# Altium PCB POVRotor.PcbDoc (part 2 of 2)
Units mm, origin at the board's own origin, x right, y up, seen from the top; angles counter-clockwise.
Board outline 195 x 22.6 mm, 4 copper layers (Top Layer, 5V, GND, Bottom Layer), stack 0.603 mm thick; 197 components, 249 nets, 925 pads, 272 vias.
Unrouted connection lines stored in the file: 2.
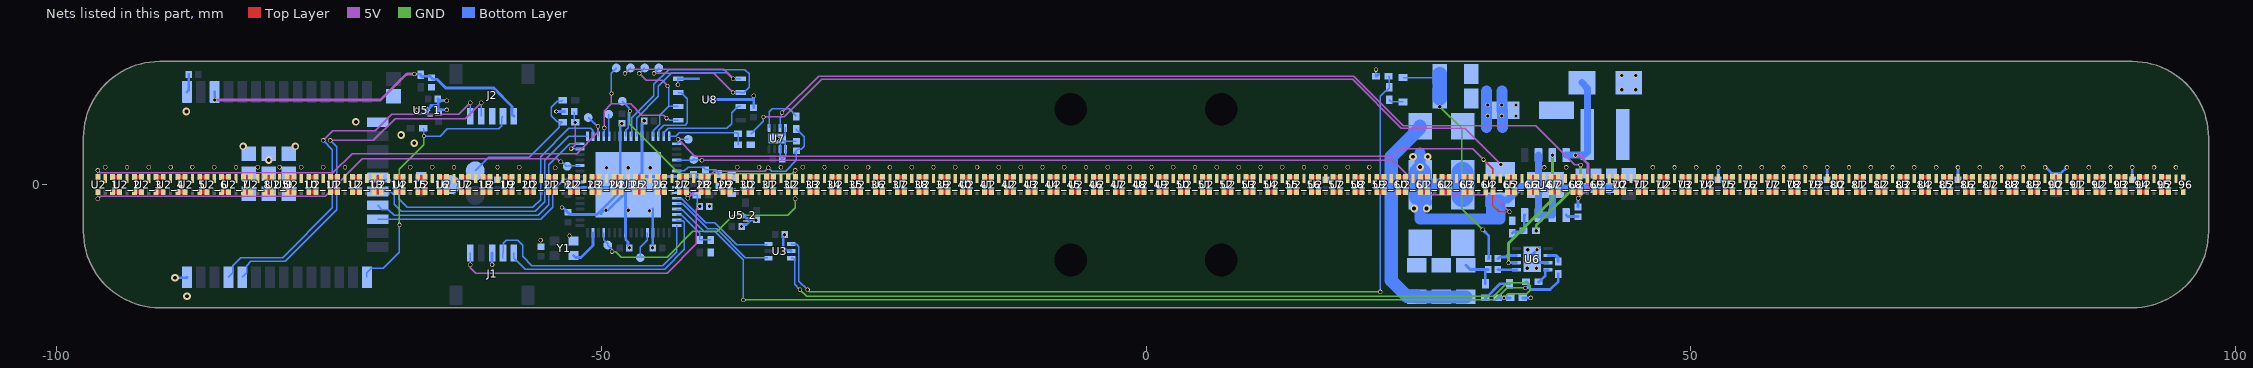
[diagram p4: the nets of this part, all layers, seen from the top]

## Via types
v1: diameter 0.4, hole 0.3, Top Layer to Bottom Layer, tented both sides, 258 vias
v2: diameter 0.7, hole 0.35, Top Layer to Bottom Layer, tented both sides, 14 vias

## Nets (pads, with @x,y where several pads share a name; then routed paths per layer and width w, separated by ;. In a path a pad name is that pad's centre, name@x,y a point inside that pad or via, vN(x,y) a via of type N, cw(c..) or ccw(c..) an arc to the next point about the centre after c; other vN are vias at no path point) (continued)
5V_ISNS: C29.1 R21.1 U1.10 | length 17
  5V w0.128: v1(-42.05,-1.25) -39.6,1.2 -35,1.2 v1(-34.65,1.55)
  Bottom Layer w0.128: U1.10@-43.065,-0.75 -42.45,-0.75 -42.102,-1.098 -42.102,-1.198 v1(-42.05,-1.25) ; v1(-34.65,1.55) -34.336,1.236 -33.064,1.236 -32.075,2.225 C29.1@-32.075,3.085 ; C29.1@-32.331,2.849 -32.095,3.085 C29.1@-32.075,3.085 ; R21.1@-32.075,5.1 -32.075,5.025 -31.839,4.789 -31.764,4.789 -31.375,4.4 -31.375,3.525 -31.638,3.262 -31.898,3.262 C29.1@-32.075,3.085
5V_ISNS_R: R21.2 U7.1 | length 4.4
  Bottom Layer w0.128: U7.1@-34.575,5.21 -34.575,6.675 -34.3,6.95 -32.736,6.95 -32.075,6.289 R21.2@-32.075,6.25
5V_RSNS: C12.2 C14.2 C33.2 L1.2 R2.2 R20.1 U7.3 | length 88
  5V w0.128: v1(-33.4,6.586) -30.036,9.95 19.05,9.95 23.6,5.4 35.75,5.4 39.35,1.8 v1(39.9,1.8)
  GND w0.254: v1(35.8,-4.25) 35.8,-3.75 39.9,0.35 v1(39.9,1.8)
  Bottom Layer w0.128: U7.3@-33.575,5.21 -33.563,5.222 -33.563,6.13 -33.452,6.241 -33.452,6.534 v1(-33.4,6.586)
  Bottom Layer w0.254: C14.2@39.9,1.025 v1(39.9,1.8)
5V_VSNS: R18.1 R19.1 U1.14 | length 4.4
  Bottom Layer w0.128: U1.14@-43.065,-2.75 -42.999,-2.816 -42.584,-2.816 -40.95,-4.45 R18.1@-40.95,-5.075 R19.1@-39.95,-5.075
BOOT: C31.2 U4.1 | length 1.2
  Bottom Layer w0.254: U4.1@38.555,-2.8 38.695,-2.94 C31.2@39.65,-2.94
CI_A1: TP2.1 U1.44 U2_1.5 | length 46.6
  Top Layer w0.128: v1(-96.175,-1.3) U2_1.5@-96.175,-0.675
  5V w0.128: v1(-96.175,-1.3) -95.925,-1.05 -75.3,-1.05 -71.9,2.35 -54.004,2.35 -53.754,2.1 v1(-53.7,2.1)
  Bottom Layer w0.128: v1(-53.7,2.1) -53.626,2.1 -53.208,1.681 TP2.1@-53.106,1.681 ; TP2.1@-53.041,1.716 -51.969,1.716 U1.44@-51.935,1.75
CI_A2: U2_1.3 U2_2.5 | length 0.6
  Top Layer w0.44: U2_1.3@-94.825,-0.675 U2_2.5@-94.175,-0.675
CI_A3: U2_2.3 U2_3.5 | length 0.6
  Top Layer w0.44: U2_2.3@-92.825,-0.675 U2_3.5@-92.175,-0.675
CI_A4: U2_3.3 U2_4.5 | length 0.6
  Top Layer w0.44: U2_3.3@-90.825,-0.675 U2_4.5@-90.175,-0.675
CI_A5: U2_4.3 U2_5.5 | length 0.6
  Top Layer w0.44: U2_4.3@-88.825,-0.675 U2_5.5@-88.175,-0.675
CI_A6: U2_5.3 U2_6.5 | length 0.6
  Top Layer w0.44: U2_5.3@-86.825,-0.675 U2_6.5@-86.175,-0.675
CI_A7: U2_6.3 U2_7.5 | length 0.6
  Top Layer w0.44: U2_6.3@-84.825,-0.675 U2_7.5@-84.175,-0.675
CI_A8: U2_7.3 U2_8.5 | length 0.6
  Top Layer w0.44: U2_7.3@-82.825,-0.675 U2_8.5@-82.175,-0.675
CI_A9: U2_8.3 U2_9.5 | length 0.6
  Top Layer w0.44: U2_8.3@-80.825,-0.675 U2_9.5@-80.175,-0.675
CI_A10: U2_9.3 U2_10.5 | length 0.6
  Top Layer w0.44: U2_9.3@-78.825,-0.675 U2_10.5@-78.175,-0.675
CI_A11: U2_10.3 U2_11.5 | length 0.6
  Top Layer w0.44: U2_10.3@-76.825,-0.675 U2_11.5@-76.175,-0.675
CI_A12: U2_11.3 U2_12.5 | length 0.6
  Top Layer w0.44: U2_11.3@-74.825,-0.675 U2_12.5@-74.175,-0.675
CI_A13: U2_12.3 U2_13.5 | length 0.6
  Top Layer w0.44: U2_12.3@-72.825,-0.675 U2_13.5@-72.175,-0.675
CI_A14: U2_13.3 U2_14.5 | length 0.6
  Top Layer w0.44: U2_13.3@-70.825,-0.675 U2_14.5@-70.175,-0.675
CI_A15: U2_14.3 U2_15.5 | length 0.6
  Top Layer w0.44: U2_14.3@-68.825,-0.675 U2_15.5@-68.175,-0.675
CI_A16: U2_15.3 U2_16.5 | length 0.6
  Top Layer w0.44: U2_15.3@-66.825,-0.675 U2_16.5@-66.175,-0.675
CI_A17: U2_16.3 U2_17.5 | length 0.6
  Top Layer w0.44: U2_16.3@-64.825,-0.675 U2_17.5@-64.175,-0.675
CI_A18: U2_17.3 U2_18.5 | length 0.6
  Top Layer w0.44: U2_17.3@-62.825,-0.675 U2_18.5@-62.175,-0.675
CI_A19: U2_18.3 U2_19.5 | length 0.6
  Top Layer w0.44: U2_18.3@-60.825,-0.675 U2_19.5@-60.175,-0.675
CI_A20: U2_19.3 U2_20.5 | length 0.6
  Top Layer w0.44: U2_19.3@-58.825,-0.675 U2_20.5@-58.175,-0.675
CI_A21: U2_20.3 U2_21.5 | length 0.6
  Top Layer w0.44: U2_20.3@-56.825,-0.675 U2_21.5@-56.175,-0.675
CI_A22: U2_21.3 U2_22.5 | length 0.6
  Top Layer w0.44: U2_21.3@-54.825,-0.675 U2_22.5@-54.175,-0.675
CI_A23: U2_22.3 U2_23.5 | length 0.6
  Top Layer w0.44: U2_22.3@-52.825,-0.675 U2_23.5@-52.175,-0.675
CI_A24: U2_23.3 U2_24.5 | length 0.6
  Top Layer w0.44: U2_23.3@-50.825,-0.675 U2_24.5@-50.175,-0.675
CI_A25: U2_24.3 U2_25.5 | length 0.6
  Top Layer w0.44: U2_24.3@-48.825,-0.675 U2_25.5@-48.175,-0.675
CI_A26: U2_25.3 U2_26.5 | length 0.6
  Top Layer w0.44: U2_25.3@-46.825,-0.675 U2_26.5@-46.175,-0.675
CI_A27: U2_26.3 U2_27.5 | length 0.6
  Top Layer w0.44: U2_26.3@-44.825,-0.675 U2_27.5@-44.175,-0.675
CI_A28: U2_27.3 U2_28.5 | length 0.6
  Top Layer w0.44: U2_27.3@-42.825,-0.675 U2_28.5@-42.175,-0.675
CI_A29: U2_28.3 U2_29.5 | length 0.6
  Top Layer w0.44: U2_28.3@-40.825,-0.675 U2_29.5@-40.175,-0.675
CI_A30: U2_29.3 U2_30.5 | length 0.6
  Top Layer w0.44: U2_29.3@-38.825,-0.675 U2_30.5@-38.175,-0.675
CI_A31: U2_30.3 U2_31.5 | length 0.6
  Top Layer w0.44: U2_30.3@-36.825,-0.675 U2_31.5@-36.175,-0.675
CI_A32: U2_31.3 U2_32.5 | length 0.6
  Top Layer w0.44: U2_31.3@-34.825,-0.675 U2_32.5@-34.175,-0.675
CI_B33: TP4.1 U1.29 U2_33.5 | length 22.4
  Top Layer w0.128: v1(-32.175,-1.3) U2_33.5@-32.175,-0.675
  GND w0.128: v1(-49,-6.15) -48.632,-6.15 -48.132,-6.65 -43.95,-6.65 -41.591,-4.291 -39.341,-4.291 -37.85,-2.8 -32.85,-2.8 -32.175,-2.125 v1(-32.175,-1.3)
  Bottom Layer w0.128: U1.29@-49.75,-4.435 -49.75,-5.078 -49.385,-5.443 TP4.1@-49.385,-5.55 -49.018,-5.917 -49.018,-6.132 v1(-49,-6.15)
CI_B34: U2_33.3 U2_34.5 | length 0.6
  Top Layer w0.44: U2_33.3@-30.825,-0.675 U2_34.5@-30.175,-0.675
CI_B35: U2_34.3 U2_35.5 | length 0.6
  Top Layer w0.44: U2_34.3@-28.825,-0.675 U2_35.5@-28.175,-0.675
CI_B36: U2_35.3 U2_36.5 | length 0.6
  Top Layer w0.44: U2_35.3@-26.825,-0.675 U2_36.5@-26.175,-0.675
CI_B37: U2_36.3 U2_37.5 | length 0.6
  Top Layer w0.44: U2_36.3@-24.825,-0.675 U2_37.5@-24.175,-0.675
CI_B38: U2_37.3 U2_38.5 | length 0.6
  Top Layer w0.44: U2_37.3@-22.825,-0.675 U2_38.5@-22.175,-0.675
CI_B39: U2_38.3 U2_39.5 | length 0.6
  Top Layer w0.44: U2_38.3@-20.825,-0.675 U2_39.5@-20.175,-0.675
CI_B40: U2_39.3 U2_40.5 | length 0.6
  Top Layer w0.44: U2_39.3@-18.825,-0.675 U2_40.5@-18.175,-0.675
CI_B41: U2_40.3 U2_41.5 | length 0.6
  Top Layer w0.44: U2_40.3@-16.825,-0.675 U2_41.5@-16.175,-0.675
CI_B42: U2_41.3 U2_42.5 | length 0.6
  Top Layer w0.44: U2_41.3@-14.825,-0.675 U2_42.5@-14.175,-0.675
CI_B43: U2_42.3 U2_43.5 | length 0.6
  Top Layer w0.44: U2_42.3@-12.825,-0.675 U2_43.5@-12.175,-0.675
CI_B44: U2_43.3 U2_44.5 | length 0.6
  Top Layer w0.44: U2_43.3@-10.825,-0.675 U2_44.5@-10.175,-0.675
CI_B45: U2_44.3 U2_45.5 | length 0.6
  Top Layer w0.44: U2_44.3@-8.825,-0.675 U2_45.5@-8.175,-0.675
CI_B46: U2_45.3 U2_46.5 | length 0.6
  Top Layer w0.44: U2_45.3@-6.825,-0.675 U2_46.5@-6.175,-0.675
CI_B47: U2_46.3 U2_47.5 | length 0.6
  Top Layer w0.44: U2_46.3@-4.825,-0.675 U2_47.5@-4.175,-0.675
CI_B48: U2_47.3 U2_48.5 | length 0.6
  Top Layer w0.44: U2_47.3@-2.825,-0.675 U2_48.5@-2.175,-0.675
CI_B49: U2_48.3 U2_49.5 | length 0.6
  Top Layer w0.44: U2_48.3@-0.825,-0.675 U2_49.5@-0.175,-0.675
CI_B50: U2_49.3 U2_50.5 | length 0.6
  Top Layer w0.44: U2_49.3@1.175,-0.675 U2_50.5@1.825,-0.675
CI_B51: U2_50.3 U2_51.5 | length 0.6
  Top Layer w0.44: U2_50.3@3.175,-0.675 U2_51.5@3.825,-0.675
CI_B52: U2_51.3 U2_52.5 | length 0.6
  Top Layer w0.44: U2_51.3@5.175,-0.675 U2_52.5@5.825,-0.675
CI_B53: U2_52.3 U2_53.5 | length 0.6
  Top Layer w0.44: U2_52.3@7.175,-0.675 U2_53.5@7.825,-0.675
CI_B54: U2_53.3 U2_54.5 | length 0.6
  Top Layer w0.44: U2_53.3@9.175,-0.675 U2_54.5@9.825,-0.675
CI_B55: U2_54.3 U2_55.5 | length 0.6
  Top Layer w0.44: U2_54.3@11.175,-0.675 U2_55.5@11.825,-0.675
CI_B56: U2_55.3 U2_56.5 | length 0.6
  Top Layer w0.44: U2_55.3@13.175,-0.675 U2_56.5@13.825,-0.675
CI_B57: U2_56.3 U2_57.5 | length 0.6
  Top Layer w0.44: U2_56.3@15.175,-0.675 U2_57.5@15.825,-0.675
CI_B58: U2_57.3 U2_58.5 | length 0.6
  Top Layer w0.44: U2_57.3@17.175,-0.675 U2_58.5@17.825,-0.675
CI_B59: U2_58.3 U2_59.5 | length 0.6
  Top Layer w0.44: U2_58.3@19.175,-0.675 U2_59.5@19.825,-0.675
CI_B60: U2_59.3 U2_60.5 | length 0.6
  Top Layer w0.44: U2_59.3@21.175,-0.675 U2_60.5@21.825,-0.675
CI_B61: U2_60.3 U2_61.5 | length 0.6
  Top Layer w0.44: U2_60.3@23.175,-0.675 U2_61.5@23.825,-0.675
CI_B62: U2_61.3 U2_62.5 | length 0.6
  Top Layer w0.44: U2_61.3@25.175,-0.675 U2_62.5@25.825,-0.675
CI_B63: U2_62.3 U2_63.5 | length 0.6
  Top Layer w0.44: U2_62.3@27.175,-0.675 U2_63.5@27.825,-0.675
CI_B64: U2_63.3 U2_64.5 | length 0.6
  Top Layer w0.44: U2_63.3@29.175,-0.675 U2_64.5@29.825,-0.675
CI_C65: TP6.1 U1.4 U2_65.5 | length 81.5
  Top Layer w0.128: U2_65.5@31.825,-0.675 31.825,-1.925 32.4,-2.5 v1(33.35,-2.5)
  5V w0.128: v1(-40.75,2.236) 22.664,2.236 25.85,-0.95 31.8,-0.95 v1(33.35,-2.5)
  Bottom Layer w0.128: U1.4@-43.065,2.25 -41.6,2.25 -41.5,2.35 -41.418,2.268 -40.782,2.268 v1(-40.75,2.236)
CI_C66: U2_65.3 U2_66.5 | length 0.6
  Top Layer w0.44: U2_65.3@33.175,-0.675 U2_66.5@33.825,-0.675
CI_C67: U2_66.3 U2_67.5 | length 0.6
  Top Layer w0.44: U2_66.3@35.175,-0.675 U2_67.5@35.825,-0.675
CI_C68: U2_67.3 U2_68.5 | length 0.6
  Top Layer w0.44: U2_67.3@37.175,-0.675 U2_68.5@37.825,-0.675
CI_C69: U2_68.3 U2_69.5 | length 0.6
  Top Layer w0.44: U2_68.3@39.175,-0.675 U2_69.5@39.825,-0.675
CI_C70: U2_69.3 U2_70.5 | length 0.6
  Top Layer w0.44: U2_69.3@41.175,-0.675 U2_70.5@41.825,-0.675
CI_C71: U2_70.3 U2_71.5 | length 0.6
  Top Layer w0.44: U2_70.3@43.175,-0.675 U2_71.5@43.825,-0.675
CI_C72: U2_71.3 U2_72.5 | length 0.6
  Top Layer w0.44: U2_71.3@45.175,-0.675 U2_72.5@45.825,-0.675
CI_C73: U2_72.3 U2_73.5 | length 0.6
  Top Layer w0.44: U2_72.3@47.175,-0.675 U2_73.5@47.825,-0.675
CI_C74: U2_73.3 U2_74.5 | length 0.6
  Top Layer w0.44: U2_73.3@49.175,-0.675 U2_74.5@49.825,-0.675
CI_C75: U2_74.3 U2_75.5 | length 0.6
  Top Layer w0.44: U2_74.3@51.175,-0.675 U2_75.5@51.825,-0.675
CI_C76: U2_75.3 U2_76.5 | length 0.6
  Top Layer w0.44: U2_75.3@53.175,-0.675 U2_76.5@53.825,-0.675
CI_C77: U2_76.3 U2_77.5 | length 0.6
  Top Layer w0.44: U2_76.3@55.175,-0.675 U2_77.5@55.825,-0.675
CI_C78: U2_77.3 U2_78.5 | length 0.6
  Top Layer w0.44: U2_77.3@57.175,-0.675 U2_78.5@57.825,-0.675
CI_C79: U2_78.3 U2_79.5 | length 0.6
  Top Layer w0.44: U2_78.3@59.175,-0.675 U2_79.5@59.825,-0.675
CI_C80: U2_79.3 U2_80.5 | length 0.6
  Top Layer w0.44: U2_79.3@61.175,-0.675 U2_80.5@61.825,-0.675
CI_C81: U2_80.3 U2_81.5 | length 0.6
  Top Layer w0.44: U2_80.3@63.175,-0.675 U2_81.5@63.825,-0.675
CI_C82: U2_81.3 U2_82.5 | length 0.6
  Top Layer w0.44: U2_81.3@65.175,-0.675 U2_82.5@65.825,-0.675
CI_C83: U2_82.3 U2_83.5 | length 0.6
  Top Layer w0.44: U2_82.3@67.175,-0.675 U2_83.5@67.825,-0.675
CI_C84: U2_83.3 U2_84.5 | length 0.6
  Top Layer w0.44: U2_83.3@69.175,-0.675 U2_84.5@69.825,-0.675
CI_C85: U2_84.3 U2_85.5 | length 0.6
  Top Layer w0.44: U2_84.3@71.175,-0.675 U2_85.5@71.825,-0.675
CI_C86: U2_85.3 U2_86.5 | length 0.6
  Top Layer w0.44: U2_85.3@73.175,-0.675 U2_86.5@73.825,-0.675
CI_C87: U2_86.3 U2_87.5 | length 0.6
  Top Layer w0.44: U2_86.3@75.175,-0.675 U2_87.5@75.825,-0.675
CI_C88: U2_87.3 U2_88.5 | length 0.6
  Top Layer w0.44: U2_87.3@77.175,-0.675 U2_88.5@77.825,-0.675
CI_C89: U2_88.3 U2_89.5 | length 0.6
  Top Layer w0.44: U2_88.3@79.175,-0.675 U2_89.5@79.825,-0.675
CI_C90: U2_89.3 U2_90.5 | length 0.6
  Top Layer w0.44: U2_89.3@81.175,-0.675 U2_90.5@81.825,-0.675
CI_C91: U2_90.3 U2_91.5 | length 0.6
  Top Layer w0.44: U2_90.3@83.175,-0.675 U2_91.5@83.825,-0.675
CI_C92: U2_91.3 U2_92.5 | length 0.6
  Top Layer w0.44: U2_91.3@85.175,-0.675 U2_92.5@85.825,-0.675
CI_C93: U2_92.3 U2_93.5 | length 0.6
  Top Layer w0.44: U2_92.3@87.175,-0.675 U2_93.5@87.825,-0.675
CI_C94: U2_93.3 U2_94.5 | length 0.6
  Top Layer w0.44: U2_93.3@89.175,-0.675 U2_94.5@89.825,-0.675
CI_C95: U2_94.3 U2_95.5 | length 0.6
  Top Layer w0.44: U2_94.3@91.175,-0.675 U2_95.5@91.825,-0.675
CI_C96: U2_95.3 U2_96.5 | length 0.7
  Top Layer w0.44: U2_95.3@93.175,-0.675 93.175,-0.682 93.18,-0.687 93.82,-0.687 93.825,-0.693 U2_96.5@93.825,-0.7
CO_A32: U2_32.3
CO_B64: U2_64.3
CO_C96: U2_96.3
COIL_C_P: C8.1 C11.2 C15.2 C16.2 C17.1 D2.1 D3.2 | length 22.7
  Bottom Layer w1.2: C16.2@24.85,-10.3 C11.2@27.1,-10.3 C15.2@29.35,-10.3 ; C16.2@24.85,-10.25 23.95,-10.25 22.5,-8.8 22.5,2.552 24.673,4.725 24.675,4.725 25.15,5.2 D3.2@25.15,5.35
COIL_N: C11.1 C15.1 C16.1 C19.2 D4.1 D5.2 D7.1 | length 3.5
  Bottom Layer w0.254: C15.1@29.35,-7.4 29.75,-7.8 C19.2@31.15,-7.8 ; D7.1@31.137,-9.1 31.137,-7.813 C19.2@31.15,-7.8 ; C19.2@31.41,-7.8 C19.2@31.15,-7.8
COIL_N_D: D7.2 R13.2 | length 2.8
  Bottom Layer w0.254: R13.2@31.125,-10.4 31.2,-10.4 32.5,-9.1 D7.2@33.362,-9.1
COIL_N_SGN: U1.12 U3.4 | length 10.4
  Bottom Layer w0.128: U1.12@-43.065,-1.75 -42.5,-1.75 -40.2,-4.05 -39.4,-4.05 -36.75,-6.7 U3.4@-34.7,-6.7
COIL_N_VSNS_R: R13.1 R14.2 U3.3 | length 75.4
  GND w0.128: v1(-31.75,-9.65) -31.15,-10.25 31.9,-10.25 33.15,-9 34.982,-9 35.27,-9.288 35.27,-9.68 34.95,-10 33.25,-10 v1(32.85,-10.4)
  Bottom Layer w0.128: U3.3@-32.55,-6.75 -32.375,-6.75 -32.239,-6.886 -32.239,-9.161 v1@-31.8,-9.6
  Bottom Layer w0.254: R13.1@32.275,-10.4 v1(32.85,-10.4) R14.2@33.425,-10.4
COIL_P: C8.2 C17.2 C18.2 D1.1 | length 21.6
  GND w0.128: v1(26.95,7.15) 28.954,5.146 28.954,-2.204 v1(30.9,-4.15)
  Bottom Layer w0.128: D1.1@23.6,9.813 26.612,9.813 C8.2@26.95,10.15
  Bottom Layer w0.254: v1(30.9,-4.15) 31.46,-4.71 31.46,-6.75 C18.2@31.41,-6.8
  Bottom Layer w1.3: C17.2@26.95,7.9 C8.2@26.95,10.15
COIL_P_D: D1.2 R7.2 | length 1.4
  Bottom Layer w0.128: R7.2@22.3,7.775 22.488,7.588 D1.2@23.6,7.588
COIL_P_SGN: U1.11 U3.6 | length 10.1
  Bottom Layer w0.128: U1.11@-43.065,-1.25 -42.999,-1.316 -42.584,-1.316 -40.4,-3.5 -39.55,-3.5 -37.55,-5.5 U3.6@-34.75,-5.5
COIL_P_VSNS_R: R7.1 R8.2 U3.1 | length 77.9
  GND w0.128: v1(-31.05,-9.65) -31.039,-9.65 -30.839,-9.85 v1(21.5,-9.85)
  Bottom Layer w0.128: U3.1@-32.55,-5.45 -32.508,-5.492 -32.058,-5.492 -31.85,-5.7 -31.85,-8.85 v1(-31.05,-9.65) ; v1(21.5,-9.85) 21.5,8.125 21.989,8.614 22.064,8.614 22.3,8.85 R7.1@22.3,8.925 22.3,9.9 R8.2@22.25,9.95
DI_A1: TP1.1 U1.51 U2_1.6 | length 50.8
  Top Layer w0.128: U2_1.6@-96.175,0.675 v1(-96.175,1.3)
  5V w0.128: v1(-96.175,1.3) -95.975,1.1 -74.6,1.1 -72.85,2.85 -52.25,2.85 -50.285,4.815 v1(-50.285,5.35)
  Bottom Layer w0.128: TP1.1@-51.185,6.15 -51.135,6.15 -50.335,5.35 v1(-50.285,5.35) -50.267,5.332 -50.267,4.453 U1.51@-50.25,4.435
DI_A2: U2_1.2 U2_2.6 | length 0.6
  Top Layer w0.44: U2_1.2@-94.825,0.675 U2_2.6@-94.175,0.675
DI_A3: U2_2.2 U2_3.6 | length 0.6
  Top Layer w0.44: U2_2.2@-92.825,0.675 U2_3.6@-92.175,0.675
DI_A4: U2_3.2 U2_4.6 | length 0.6
  Top Layer w0.44: U2_3.2@-90.825,0.675 U2_4.6@-90.175,0.675
DI_A5: U2_4.2 U2_5.6 | length 0.6
  Top Layer w0.44: U2_4.2@-88.825,0.675 U2_5.6@-88.175,0.675
DI_A6: U2_5.2 U2_6.6 | length 0.6
  Top Layer w0.44: U2_5.2@-86.825,0.675 U2_6.6@-86.175,0.675
DI_A7: U2_6.2 U2_7.6 | length 0.6
  Top Layer w0.44: U2_6.2@-84.825,0.675 U2_7.6@-84.175,0.675
DI_A8: U2_7.2 U2_8.6 | length 0.6
  Top Layer w0.44: U2_7.2@-82.825,0.675 U2_8.6@-82.175,0.675
DI_A9: U2_8.2 U2_9.6 | length 0.6
  Top Layer w0.44: U2_8.2@-80.825,0.675 U2_9.6@-80.175,0.675
DI_A10: U2_9.2 U2_10.6 | length 0.6
  Top Layer w0.44: U2_9.2@-78.825,0.675 U2_10.6@-78.175,0.675
DI_A11: U2_10.2 U2_11.6 | length 0.6
  Top Layer w0.44: U2_10.2@-76.825,0.675 U2_11.6@-76.175,0.675
DI_A12: U2_11.2 U2_12.6 | length 0.6
  Top Layer w0.44: U2_11.2@-74.825,0.675 U2_12.6@-74.175,0.675
DI_A13: U2_12.2 U2_13.6 | length 0.6
  Top Layer w0.44: U2_12.2@-72.825,0.675 U2_13.6@-72.175,0.675
DI_A14: U2_13.2 U2_14.6 | length 0.6
  Top Layer w0.44: U2_13.2@-70.825,0.675 U2_14.6@-70.175,0.675
DI_A15: U2_14.2 U2_15.6 | length 0.6
  Top Layer w0.44: U2_14.2@-68.825,0.675 U2_15.6@-68.175,0.675
DI_A16: U2_15.2 U2_16.6 | length 0.6
  Top Layer w0.44: U2_15.2@-66.825,0.675 U2_16.6@-66.175,0.675
DI_A17: U2_16.2 U2_17.6 | length 0.6
  Top Layer w0.44: U2_16.2@-64.825,0.675 U2_17.6@-64.175,0.675
DI_A18: U2_17.2 U2_18.6 | length 0.6
  Top Layer w0.44: U2_17.2@-62.825,0.675 U2_18.6@-62.175,0.675
DI_A19: U2_18.2 U2_19.6 | length 0.6
  Top Layer w0.44: U2_18.2@-60.825,0.675 U2_19.6@-60.175,0.675
DI_A20: U2_19.2 U2_20.6 | length 0.6
  Top Layer w0.44: U2_19.2@-58.825,0.675 U2_20.6@-58.175,0.675
DI_A21: U2_20.2 U2_21.6 | length 0.6
  Top Layer w0.44: U2_20.2@-56.825,0.675 U2_21.6@-56.175,0.675
DI_A22: U2_21.2 U2_22.6 | length 0.6
  Top Layer w0.44: U2_21.2@-54.825,0.675 U2_22.6@-54.175,0.675
DI_A23: U2_22.2 U2_23.6 | length 0.6
  Top Layer w0.44: U2_22.2@-52.825,0.675 U2_23.6@-52.175,0.675
DI_A24: U2_23.2 U2_24.6 | length 0.6
  Top Layer w0.44: U2_23.2@-50.825,0.675 U2_24.6@-50.175,0.675
DI_A25: U2_24.2 U2_25.6 | length 0.6
  Top Layer w0.44: U2_24.2@-48.825,0.675 U2_25.6@-48.175,0.675
DI_A26: U2_25.2 U2_26.6 | length 0.6
  Top Layer w0.44: U2_25.2@-46.825,0.675 U2_26.6@-46.175,0.675
DI_A27: U2_26.2 U2_27.6 | length 0.6
  Top Layer w0.44: U2_26.2@-44.825,0.675 U2_27.6@-44.175,0.675
DI_A28: U2_27.2 U2_28.6 | length 0.6
  Top Layer w0.44: U2_27.2@-42.825,0.675 U2_28.6@-42.175,0.675
DI_A29: U2_28.2 U2_29.6 | length 0.6
  Top Layer w0.44: U2_28.2@-40.825,0.675 U2_29.6@-40.175,0.675
DI_A30: U2_29.2 U2_30.6 | length 0.6
  Top Layer w0.44: U2_29.2@-38.825,0.675 U2_30.6@-38.175,0.675
DI_A31: U2_30.2 U2_31.6 | length 0.6
  Top Layer w0.44: U2_30.2@-36.825,0.675 U2_31.6@-36.175,0.675
DI_A32: U2_31.2 U2_32.6 | length 0.6
  Top Layer w0.44: U2_31.2@-34.825,0.675 U2_32.6@-34.175,0.675
DI_B33: TP3.1 U1.56 U2_33.6 | length 22.7
  Top Layer w0.128: U2_33.6@-32.175,0.675 v1(-32.175,1.3)
  GND w0.128: v1(-47.35,6.75) -47.35,5.511 -42.839,1 -32.475,1 v1(-32.175,1.3)
  Bottom Layer w0.128: TP3.1@-48.05,7.65 -47.402,7.002 -47.402,6.802 v1(-47.35,6.75) -47.35,6.676 -47.503,6.523 -47.503,5.197 -47.72,4.98 -47.72,4.465 U1.56@-47.75,4.435
DI_B34: U2_33.2 U2_34.6 | length 0.6
  Top Layer w0.44: U2_33.2@-30.825,0.675 U2_34.6@-30.175,0.675
DI_B35: U2_34.2 U2_35.6 | length 0.6
  Top Layer w0.44: U2_34.2@-28.825,0.675 U2_35.6@-28.175,0.675
DI_B36: U2_35.2 U2_36.6 | length 0.6
  Top Layer w0.44: U2_35.2@-26.825,0.675 U2_36.6@-26.175,0.675
DI_B37: U2_36.2 U2_37.6 | length 0.6
  Top Layer w0.44: U2_36.2@-24.825,0.675 U2_37.6@-24.175,0.675
DI_B38: U2_37.2 U2_38.6 | length 0.6
  Top Layer w0.44: U2_37.2@-22.825,0.675 U2_38.6@-22.175,0.675
DI_B39: U2_38.2 U2_39.6 | length 0.6
  Top Layer w0.44: U2_38.2@-20.825,0.675 U2_39.6@-20.175,0.675
DI_B40: U2_39.2 U2_40.6 | length 0.6
  Top Layer w0.44: U2_39.2@-18.825,0.675 U2_40.6@-18.175,0.675
DI_B41: U2_40.2 U2_41.6 | length 0.6
  Top Layer w0.44: U2_40.2@-16.825,0.675 U2_41.6@-16.175,0.675
DI_B42: U2_41.2 U2_42.6 | length 0.6
  Top Layer w0.44: U2_41.2@-14.825,0.675 U2_42.6@-14.175,0.675
DI_B43: U2_42.2 U2_43.6 | length 0.6
  Top Layer w0.44: U2_42.2@-12.825,0.675 U2_43.6@-12.175,0.675
DI_B44: U2_43.2 U2_44.6 | length 0.6
  Top Layer w0.44: U2_43.2@-10.825,0.675 U2_44.6@-10.175,0.675
DI_B45: U2_44.2 U2_45.6 | length 0.6
  Top Layer w0.44: U2_44.2@-8.825,0.675 U2_45.6@-8.175,0.675
DI_B46: U2_45.2 U2_46.6 | length 0.6
  Top Layer w0.44: U2_45.2@-6.825,0.675 U2_46.6@-6.175,0.675
DI_B47: U2_46.2 U2_47.6 | length 0.6
  Top Layer w0.44: U2_46.2@-4.825,0.675 U2_47.6@-4.175,0.675
DI_B48: U2_47.2 U2_48.6 | length 0.6
  Top Layer w0.44: U2_47.2@-2.825,0.675 U2_48.6@-2.175,0.675
DI_B49: U2_48.2 U2_49.6 | length 0.6
  Top Layer w0.44: U2_48.2@-0.825,0.675 U2_49.6@-0.175,0.675
DI_B50: U2_49.2 U2_50.6 | length 0.6
  Top Layer w0.44: U2_49.2@1.175,0.675 U2_50.6@1.825,0.675
DI_B51: U2_50.2 U2_51.6 | length 0.6
  Top Layer w0.44: U2_50.2@3.175,0.675 U2_51.6@3.825,0.675
DI_B52: U2_51.2 U2_52.6 | length 0.6
  Top Layer w0.44: U2_51.2@5.175,0.675 U2_52.6@5.825,0.675
DI_B53: U2_52.2 U2_53.6 | length 0.6
  Top Layer w0.44: U2_52.2@7.175,0.675 U2_53.6@7.825,0.675
DI_B54: U2_53.2 U2_54.6 | length 0.6
  Top Layer w0.44: U2_53.2@9.175,0.675 U2_54.6@9.825,0.675
DI_B55: U2_54.2 U2_55.6 | length 0.6
  Top Layer w0.44: U2_54.2@11.175,0.675 U2_55.6@11.825,0.675
DI_B56: U2_55.2 U2_56.6 | length 0.6
  Top Layer w0.44: U2_55.2@13.175,0.675 U2_56.6@13.825,0.675
DI_B57: U2_56.2 U2_57.6 | length 0.6
  Top Layer w0.44: U2_56.2@15.175,0.675 U2_57.6@15.825,0.675
DI_B58: U2_57.2 U2_58.6 | length 0.6
  Top Layer w0.44: U2_57.2@17.175,0.675 U2_58.6@17.825,0.675
DI_B59: U2_58.2 U2_59.6 | length 0.6
  Top Layer w0.44: U2_58.2@19.175,0.675 U2_59.6@19.825,0.675
DI_B60: U2_59.2 U2_60.6 | length 0.6
  Top Layer w0.44: U2_59.2@21.175,0.675 U2_60.6@21.825,0.675
DI_B61: U2_60.2 U2_61.6 | length 0.6
  Top Layer w0.44: U2_60.2@23.175,0.675 U2_61.6@23.825,0.675
DI_B62: U2_61.2 U2_62.6 | length 0.6
  Top Layer w0.44: U2_61.2@25.175,0.675 U2_62.6@25.825,0.675
DI_B63: U2_62.2 U2_63.6 | length 0.6
  Top Layer w0.44: U2_62.2@27.175,0.675 U2_63.6@27.825,0.675
DI_B64: U2_63.2 U2_64.6 | length 0.6
  Top Layer w0.44: U2_63.2@29.175,0.675 U2_64.6@29.825,0.675
DI_C65: TP5.1 U1.1 U2_65.6 | length 78.7
  Top Layer w0.128: v1(30.97,2.29) 31.825,1.435 U2_65.6@31.825,0.675
  5V w0.128: v1(-42.935,4.15) -41.385,2.6 22.65,2.6 23.35,3.3 29.96,3.3 v1(30.97,2.29)
  Bottom Layer w0.128: U1.1@-43.065,3.75 -43.001,3.75 -42.935,3.816 v1(-42.935,4.15) TP5.1@-42,4.15
DI_C66: U2_65.2 U2_66.6 | length 0.6
  Top Layer w0.44: U2_65.2@33.175,0.675 U2_66.6@33.825,0.675
DI_C67: U2_66.2 U2_67.6 | length 0.6
  Top Layer w0.44: U2_66.2@35.175,0.675 U2_67.6@35.825,0.675
DI_C68: U2_67.2 U2_68.6 | length 0.6
  Top Layer w0.44: U2_67.2@37.175,0.675 U2_68.6@37.825,0.675
DI_C69: U2_68.2 U2_69.6 | length 0.6
  Top Layer w0.44: U2_68.2@39.175,0.675 U2_69.6@39.825,0.675
DI_C70: U2_69.2 U2_70.6 | length 0.6
  Top Layer w0.44: U2_69.2@41.175,0.675 U2_70.6@41.825,0.675
DI_C71: U2_70.2 U2_71.6 | length 0.6
  Top Layer w0.44: U2_70.2@43.175,0.675 U2_71.6@43.825,0.675
DI_C72: U2_71.2 U2_72.6 | length 0.6
  Top Layer w0.44: U2_71.2@45.175,0.675 U2_72.6@45.825,0.675
DI_C73: U2_72.2 U2_73.6 | length 0.6
  Top Layer w0.44: U2_72.2@47.175,0.675 U2_73.6@47.825,0.675
DI_C74: U2_73.2 U2_74.6 | length 0.6
  Top Layer w0.44: U2_73.2@49.175,0.675 U2_74.6@49.825,0.675
DI_C75: U2_74.2 U2_75.6 | length 0.6
  Top Layer w0.44: U2_74.2@51.175,0.675 U2_75.6@51.825,0.675
DI_C76: U2_75.2 U2_76.6 | length 0.6
  Top Layer w0.44: U2_75.2@53.175,0.675 U2_76.6@53.825,0.675
DI_C77: U2_76.2 U2_77.6 | length 0.6
  Top Layer w0.44: U2_76.2@55.175,0.675 U2_77.6@55.825,0.675
DI_C78: U2_77.2 U2_78.6 | length 0.6
  Top Layer w0.44: U2_77.2@57.175,0.675 U2_78.6@57.825,0.675
DI_C79: U2_78.2 U2_79.6 | length 0.6
  Top Layer w0.44: U2_78.2@59.175,0.675 U2_79.6@59.825,0.675
DI_C80: U2_79.2 U2_80.6 | length 0.6
  Top Layer w0.44: U2_79.2@61.175,0.675 U2_80.6@61.825,0.675
DI_C81: U2_80.2 U2_81.6 | length 0.6
  Top Layer w0.44: U2_80.2@63.175,0.675 U2_81.6@63.825,0.675
DI_C82: U2_81.2 U2_82.6 | length 0.6
  Top Layer w0.44: U2_81.2@65.175,0.675 U2_82.6@65.825,0.675
DI_C83: U2_82.2 U2_83.6 | length 0.6
  Top Layer w0.44: U2_82.2@67.175,0.675 U2_83.6@67.825,0.675
DI_C84: U2_83.2 U2_84.6 | length 0.6
  Top Layer w0.44: U2_83.2@69.175,0.675 U2_84.6@69.825,0.675
DI_C85: U2_84.2 U2_85.6 | length 0.6
  Top Layer w0.44: U2_84.2@71.175,0.675 U2_85.6@71.825,0.675
DI_C86: U2_85.2 U2_86.6 | length 0.6
  Top Layer w0.44: U2_85.2@73.175,0.675 U2_86.6@73.825,0.675
DI_C87: U2_86.2 U2_87.6 | length 0.6
  Top Layer w0.44: U2_86.2@75.175,0.675 U2_87.6@75.825,0.675
DI_C88: U2_87.2 U2_88.6 | length 0.6
  Top Layer w0.44: U2_87.2@77.175,0.675 U2_88.6@77.825,0.675
DI_C89: U2_88.2 U2_89.6 | length 0.6
  Top Layer w0.44: U2_88.2@79.175,0.675 U2_89.6@79.825,0.675
DI_C90: U2_89.2 U2_90.6 | length 0.6
  Top Layer w0.44: U2_89.2@81.175,0.675 U2_90.6@81.825,0.675
DI_C91: U2_90.2 U2_91.6 | length 0.6
  Top Layer w0.44: U2_90.2@83.175,0.675 U2_91.6@83.825,0.675
DI_C92: U2_91.2 U2_92.6 | length 0.6
  Top Layer w0.44: U2_91.2@85.175,0.675 U2_92.6@85.825,0.675
DI_C93: U2_92.2 U2_93.6 | length 0.6
  Top Layer w0.44: U2_92.2@87.175,0.675 U2_93.6@87.825,0.675
DI_C94: U2_93.2 U2_94.6 | length 0.6
  Top Layer w0.44: U2_93.2@89.175,0.675 U2_94.6@89.825,0.675
DI_C95: U2_94.2 U2_95.6 | length 0.6
  Top Layer w0.44: U2_94.2@91.175,0.675 U2_95.6@91.825,0.675
DI_C96: U2_95.2 U2_96.6 | length 0.7
  Top Layer w0.44: U2_95.2@93.175,0.675 93.175,0.667 93.18,0.662 93.82,0.662 93.825,0.657 U2_96.6@93.825,0.65
DO_A32: U2_32.2
DO_B64: U2_64.2
DO_C96: U2_96.2
EN: C25.2 J2.1 R15.2 U5.3 | length 31.3
  5V w0.254: v1(-85.45,7.75) -70.25,7.75 -67.9,10.1 -67.833,10.1 -67.783,10.15 v1(-67.15,10.15)
  Bottom Layer w0.254: U5.3@-85.46,8.5 -85.45,8.49 v1(-85.45,7.75) ; v1(-67.15,10.15) -67.132,10.132 -66.607,10.132 R15.2@-66.55,10.075 ; R15.2@-66.55,10.013 -66.377,9.84 -66.377,9.932 -65.693,9.932 -65.427,9.667 -65.067,9.667 -64.25,8.85 -59.85,8.85 -58.173,7.173 -58.173,6.441 J2.1@-58,6.268
ESP32.C\S\: U1.50 U5.19 | length 27.3
  Bottom Layer w0.128: U5.19@-70.49,0.635 -70.278,0.423 -69.373,0.423 -68.585,-0.365 -68.585,-1.315 -67.8,-2.1 -56.25,-2.1 -55.55,-1.4 -55.55,2.55 -52.95,5.15 -50.95,5.15 -50.78,4.98 -50.78,4.465 U1.50@-50.75,4.435
ESP32.SCK: U1.49 U5.20 | length 25.5
  Bottom Layer w0.128: U5.20@-70.49,-0.635 -69.365,-0.635 -69,-1 -69,-1.8 -68.35,-2.45 -56.05,-2.45 -55.161,-1.561 -55.161,2.239 -54.55,2.85 -52.965,4.435 U1.49@-51.25,4.435
ESP32.SDI: U1.41 U5.22 | length 21.1
  Bottom Layer w0.128: U5.22@-70.49,-3.175 -55.525,-3.175 -54.45,-2.1 -54.45,-0.55 -53.4,0.5 -52.7,0.5 -52.48,0.28 -51.965,0.28 U1.41@-51.935,0.25
ESP32.SDO: U1.48 U5.21 | length 23.8
  Bottom Layer w0.128: U5.21@-70.49,-1.905 -70.104,-2.291 -69.509,-2.291 -69,-2.8 -55.75,-2.8 -54.8,-1.85 -54.8,1.8 -52.863,3.737 -51.948,3.737 U1.48@-51.935,3.75
FB: R2.1 R3.2 U4.4 | length 2.6
  Bottom Layer w0.254: R3.2@33.6,-4.475 33.713,-4.362 34.538,-4.362 34.697,-4.202 34.697,-2.848 U4.4@34.745,-2.8
GND: C1.1 C2.1 C3.1 C4.1 C5.1 C6.1 C7.1 C9_1.1 C9_2.1 C10_1.1 C10_2.1 C12.1 C13.2 C14.1 C20.1 C21.2 C22.1 C23.1 C24.1 C25.1 C26.2 C27.1 C28.1 C29.2 C30.1 C32.1 C33.1 C50.1 C51.1 C52.1 C53.1 C54.1 C55.1 C56.1 C60.1 C61.1 D3.1 D5.1 D6.2 D8.1 J1.3 J2.3 R3.1 R8.1 R14.1 R17.2 R19.2 TP8.1 U1.7 U1.20 U1.25 U1.35 U1.40 U1.55 U1.59 U1.65 U2_1.1 U2_2.1 U2_3.1 U2_4.1 U2_5.1 U2_6.1 U2_7.1 U2_8.1 U2_9.1 U2_10.1 U2_11.1 U2_12.1 U2_13.1 U2_14.1 U2_15.1 U2_16.1 U2_17.1 U2_18.1 U2_19.1 U2_20.1 U2_21.1 U2_22.1 U2_23.1 U2_24.1 U2_25.1 U2_26.1 U2_27.1 U2_28.1 U2_29.1 U2_30.1 U2_31.1 U2_32.1 U2_33.1 U2_34.1 U2_35.1 U2_36.1 U2_37.1 U2_38.1 U2_39.1 U2_40.1 U2_41.1 U2_42.1 U2_43.1 U2_44.1 U2_45.1 U2_46.1 U2_47.1 U2_48.1 U2_49.1 U2_50.1 U2_51.1 U2_52.1 U2_53.1 U2_54.1 U2_55.1 U2_56.1 U2_57.1 U2_58.1 U2_59.1 U2_60.1 U2_61.1 U2_62.1 U2_63.1 U2_64.1 U2_65.1 U2_66.1 U2_67.1 U2_68.1 U2_69.1 U2_70.1 U2_71.1 U2_72.1 U2_73.1 U2_74.1 U2_75.1 U2_76.1 U2_77.1 U2_78.1 U2_79.1 U2_80.1 U2_81.1 U2_82.1 U2_83.1 U2_84.1 U2_85.1 U2_86.1 U2_87.1 U2_88.1 U2_89.1 U2_90.1 U2_91.1 U2_92.1 U2_93.1 U2_94.1 U2_95.1 U2_96.1 U3.2 U4.2 U4.3 U4.6 U4.9 U5.1 U5.15 U5.38 U5.39 U5_1.2 U5_1.5 U5_2.2 U5_2.5 U6.3 U6.9 U7.4 U7.5 U7.6 U7.9 U8.4 U8.9 Y1.2 | length 132.3
  Bottom Layer w0.128: v1(-42.95,9.15) -42.95,9.68 U8.4@-42.925,9.705 ; U7.4@-33.075,5.21 -33.089,5.196 -33.089,4.611 U7.9@-33.475,4.225 ; C29.2@-32.075,3.965 U7.9@-33.215,3.965 ; R8.1@21.1,9.95 v1(21.1,10.55) ; D5.1@25.15,-1.05 D5.1@25.15,0.05 ; U7.9@-33.575,3.975 -33.565,3.965 U7.9@-33.215,3.965 ; U7.9@-33.575,3.975 U7.6@-33.575,3.24 -33.575,2.515 C28.1@-33.385,2.325 -33.385,2.345 -33.075,2.655 U7.5@-33.075,3.24 -33.089,3.254 -33.089,3.839 U7.9@-33.215,3.965 ; U7.9@-33.575,3.975 v1(-33.825,4.225) U7.9@-33.475,4.225 ; U7.9@-33.475,4.225 U7.9@-33.215,3.965
  Bottom Layer w0.254: v2(-89.1,-8.55) -88.05,-8.55 U5.38@-88,-8.5 ; U5.1@-88,8.5 -87.84,8.66 C23.1@-87.84,10.1 ; U5_1.5@-65.96,6.82 -65.62,7.16 ; U5_1.2@-65.635,7.25 -65.635,7.175 -65.62,7.16 ; C10_1.1@-64.97,7.87 -64.94,7.84 C10_1.1@-64.94,7.71 ; C10_1.1@-64.95,7.71 C10_1.1@-64.94,7.71 ; C9_1.1@-64.91,6.66 -64.888,6.682 C9_1.1@-64.888,6.855 ; v1(-64.15,6.85) -64.155,6.855 C9_1.1@-64.888,6.855 ; v1(-64.15,7.7) -64.16,7.71 C10_1.1@-64.94,7.71 ; v1(-60,-7.35) J1.3@-60,-6.268 ; v1(-54.1,6.7) C21.2@-53.34,6.7 ; v1(-53.585,-2.1) -53.567,-2.118 -53.497,-2.118 -53.055,-2.56 C1.1@-53.035,-2.56 -52.862,-2.733 -52.71,-2.733 -52.693,-2.75 U1.35@-51.935,-2.75 -50.373,-2.75 -48,-0.377 U1.65@-48,-0.25 ; C7.1@-53.035,-0.06 -52.862,-0.233 -52.71,-0.233 -52.693,-0.25 U1.40@-51.935,-0.25 U1.65@-48,-0.25 ; U1.65@-50.003,-2.668 -49.685,-2.35 v1(-49.55,-2.35) -49.35,-2.35 U1.65@-47.75,-0.75 ; v1(-48.1,5.61) -48.247,5.463 -48.247,4.438 U1.55@-48.25,4.435 -48.25,0.75 U1.65@-47.5,0 ; U1.65@-47.75,-2.2 U1.65@-47.75,-0.75 ; v1(-47.5,-2.35) -47.65,-2.2 -47.75,-2.3 U1.25@-47.75,-4.435 -47.747,-4.438 -47.747,-5.053 -47.523,-5.277 -47.523,-5.672 v1(-47.395,-5.8) ; v1(-46.04,5.85) -46.04,5.83 -46.25,5.62 U1.59@-46.25,4.435 -46.25,1.085 -46.585,0.75 U1.7@-43.065,0.75 -41.745,0.75 -41.555,0.94 C2.1@-41.535,0.94 -41.515,0.94 -41.275,0.7 -40.66,0.7 -40.42,0.46 C26.2@-40.4,0.46 ; v1(-45.275,-5.8) -45.253,-5.778 -45.253,-4.438 U1.20@-45.25,-4.435 U1.65@-45.25,-2.25 ; U8.4@-42.925,9.705 -41.05,9.705 ; U8.9@-40.05,7.8 -36.072,7.8 -36,7.872 ; v1(-37.11,-3.85) -37.11,-3.83 -36.937,-3.657 -36.662,-3.657 -36.275,-3.27 ; U5_2.5@-37.02,-2.825 -36.915,-2.825 U5_2.2@-36.59,-3.15 -36.565,-3.125 -36.358,-3.125 -36.244,-3.239 -35.812,-3.239 v1(-35.781,-3.27) C10_2.1@-35.781,-3.229 ; C30.1@-36,7.04 -36,7.872 ; v1(-36,8.15) -36,7.872 ; v1(-33.16,-4.6) -33.286,-4.726 -33.286,-5.714 -32.973,-6.027 -32.623,-6.027 U3.2@-32.55,-6.1 ; R8.1@21.1,9.95 21.175,9.95 R8.1@21.348,10.123 ; R14.1@34.575,-10.4 v1(35.3,-10.4) ; U6.9@35.012,-5.963 v1(35.037,-5.988) ; U6.9@36.11,-5.79 35.912,-5.988 v1(35.887,-5.988) 35.437,-6.438 U6.9@35.437,-6.838 35.762,-7.163 U6.3@36.887,-7.163 ; U4.9@36.65,-0.05 U4.9@36.925,-0.325 ; C56.1@52.5,0.39 v1(52.5,1.575) ; C55.1@62.5,0.44 v1(62.5,1.575) ; C50.1@74.5,0.44 v1(74.5,1.575) ; v1@82.544,1.575 82.544,1.557 82.568,1.557 83.45,0.675 C60.1@83.5,0.675 83.823,0.998 83.923,0.998 v1(84.5,1.575) ; C54.1@90.5,0.44 v1(90.5,1.575) ; -65.62,7.16 -65.507,7.273 -64.94,7.273 ; -64.94,7.273 C10_1.1@-64.94,7.71 ; -64.94,7.273 -64.94,6.907 C9_1.1@-64.888,6.855 ; U1.65@-48,-0.25 U1.65@-47.75,-0.25 ; U1.65@-48,-0.25 -47.75,0 U1.65@-47.5,0 ; U1.65@-47.75,-0.75 U1.65@-47.75,-0.25 ; U1.65@-47.75,-0.25 U1.65@-47.5,0
  Bottom Layer w0.65: C32.1@32.5,-1.4 33.2,-1.4 34.55,-0.05 U4.9@36.65,-0.05 ; U4.6@36.015,2.7 36.015,0.585 U4.9@36.65,-0.05 ; C33.1@42.7,-0.325 C12.1@41.3,-0.325 C14.1@39.9,-0.325 36.925,-0.325 37.285,-0.685 U4.2@37.285,-2.8 U4.3@36.015,-2.8 36.015,-0.685 U4.9@36.65,-0.05
  Bottom Layer w1: D5.1@25.15,0.05 26.95,0.05 ; v2(25.15,1.6) 25.15,2.9 ; D5.1@25.725,-1.625 D5.1@25.15,-1.05 25.15,-3.15 32.5,-3.15 C32.1@32.5,-1.4 31.8,-1.4 C32.1@31.7,-1.5 ; 31.25,5.25 31.25,8.6 ; C32.1@31.65,-1.55 C32.1@31.7,-1.5 ; 31.7,-3.05 C32.1@31.7,-1.5 ; C32.1@31.7,-1.3 C32.1@31.7,-1.5 ; C13.2@32.65,6.8 32.65,8.6 ; 32.7,5.25 C13.2@32.7,6.8
  Bottom Layer w2: D5.1@25.15,-1.05 D3.1@25.15,1.05
  other v1: 34.987,-7.688 35.838,-7.688 -55.55,-5.1 -52.9,-4.7 -45.55,-2.4 -40.06,-2 -54.2,1.55 -49.5,1.55 -47.5,1.55 -45.5,1.55 36.55,1.575 38.55,1.575 46.5,1.575 48.5,1.575 50.5,1.575 54.5,1.575 56.5,1.575 58.5,1.575 60.5,1.575 64.5,1.575 66.5,1.575 68.5,1.575 70.5,1.575 72.5,1.575 76.5,1.575 78.5,1.575 80.5,1.575 82.5,1.575 86.5,1.575 88.5,1.575 92.5,1.575 94.5,1.575 -95.5,1.6 -93.5,1.6 -91.5,1.6 -89.5,1.6 -87.5,1.6 -85.5,1.6 -83.5,1.6 -81.5,1.6 -79.5,1.6 -77.5,1.6 -75.5,1.6 -73.5,1.6 -67.5,1.6 -65.5,1.6 -63.5,1.6 -59.5,1.6 -57.5,1.6 -37.5,1.6 -35.5,1.6 -33.5,1.6 -31.5,1.6 -29.5,1.6 -27.5,1.6 -25.5,1.6 -23.5,1.6 -21.5,1.6 -19.5,1.6 -17.5,1.6 -15.5,1.6 -13.5,1.6 -11.5,1.6 -9.5,1.6 -7.5,1.6 -5.5,1.6 -3.5,1.6 -1.5,1.6 0.5,1.6 2.5,1.6 4.5,1.6 6.5,1.6 8.5,1.6 10.5,1.6 12.5,1.6 14.5,1.6 16.5,1.6 18.5,1.6 20.5,1.6 31.35,6.3 32.65,6.3 33.95,6.3 -66.9,6.85 31.35,7.3 32.65,7.3 33.95,7.3 43.65,8.7 44.95,8.7 43.65,10 44.95,10
  other v2: -88,-10.25 24.6,-2.2 25.75,-2.2 -80.5,2.25 24.5,2.55 25.85,2.55 -82.85,3.5 -78.05,3.5 -67.15,3.8 -68.35,4.55 -72.5,5.75 -88.05,6.7
HALL_OUT: R9.1 R10.2 TP9.1 | length 13.3
  Bottom Layer w0.128: TP9.1@-61.55,1.25 -60.3,2.5 -56.6,2.5 -53.836,5.264 -53.836,5.464 R10.2@-53.6,5.7 ; R10.2@-53.525,5.7 R10.2@-53.6,5.7 ; R9.1@-53.525,7.75 -53.642,7.633 -54.017,7.633 -54.55,7.1 -54.55,6.3 -54.017,5.767 -53.667,5.767 R10.2@-53.6,5.7
HALL_OUT_MCU: C21.1 R10.1 U1.47 | length 4.4
  5V w0.128: v1(-52.75,3.3) -52.375,3.675 v1(-52.375,5.7)
  Bottom Layer w0.128: v1(-52.75,3.3) -52.725,3.275 -51.96,3.275 U1.47@-51.935,3.25 ; C21.1@-52.46,6.7 -52.46,5.785 v1(-52.375,5.7)
IO_0: J2.2 R5.1 U5.25 | length 25
  GND w0.128: v1(-68.5,-3.7) -68.5,1.4 -66.25,3.65 v1(-66.25,4.45)
  Bottom Layer w0.128: U5.25@-71.49,-8.5 -71.49,-8.086 -71.104,-7.7 -69.99,-7.7 -68.5,-6.21 v1(-68.5,-3.7) ; R5.1@-66.325,5.15 -66.25,5.075 v1(-66.25,4.45) -64.75,4.45 -64.1,5.1 -59.4,5.1 -59.124,5.376 -59.124,6.144 J2.2@-59,6.268
IR_SENSOR_MCU: C26.1 R12.1 U1.6 | length 4.3
  Bottom Layer w0.128: U1.6@-43.065,1.25 -42.35,1.25 -42.024,1.576 -40.636,1.576 C26.1@-40.4,1.34 -39.49,1.34 -39.2,1.05 R12.1@-39.2,0.975
IR_SENSOR_OUT: D6.1 R11.1 R12.2 | length 2.8
  Bottom Layer w0.128: R12.2@-39.2,-0.175 -39.2,-0.25 -38.98,-0.47 -38.28,-0.47 D6.1@-38,-0.75 -37.775,-0.525 R11.1@-36.75,-0.525
MCLR: C22.2 J1.1 R1.1 U1.9 | length 30.3
  5V w0.128: v1(-62,-7.35) -62,-7.65 -61.5,-8.15 -43.95,-8.15 -41.25,-5.45 -41.25,-2.29 v1(-40.94,-1.98)
  Bottom Layer w0.128: v1(-62,-7.35) J1.1@-62,-6.268 ; U1.9@-43.065,-0.25 -42.335,-0.25 -41.585,-1 R1.1@-41.225,-1 -41.199,-1.026 -41.199,-1.721 v1(-40.94,-1.98) C22.2@-40.94,-2
MCU_OSCI: U1.31 Y1.3 | length 3.5
  Bottom Layer w0.254: Y1.3@-52.535,-6.515 -52.347,-6.703 -51.853,-6.703 -50.753,-5.603 -50.753,-4.438 U1.31@-50.75,-4.435
NetR4_2: R4.2 U6.2 | length 1.4
  Bottom Layer w0.254: U6.2@36.887,-6.513 37.666,-6.513 37.814,-6.661 37.814,-7.04 R4.2@37.837,-7.063
NetR6_2: R6.2 U6.4 | length 1.7
  Bottom Layer w0.254: R6.2@36.012,-8.938 36.087,-8.938 36.627,-8.398 36.627,-7.836 36.65,-7.813 U6.4@36.887,-7.813
PGC: J1.5 U1.15 | length 20.6
  Bottom Layer w0.128: J1.5@-58,-6.268 -58,-6.743 -57.764,-6.979 -57.721,-6.979 -56.95,-7.75 -44.15,-7.75 -42.35,-5.95 -42.35,-3.46 -42.494,-3.316 -42.999,-3.316 U1.15@-43.065,-3.25
PGD: J1.4 U1.16 | length 22.4
  Bottom Layer w0.128: U1.16@-43.065,-3.75 -43.065,-6.165 -44.35,-7.45 -56.35,-7.45 -57.2,-6.6 -57.2,-5.55 -57.65,-5.1 -58.7,-5.1 -58.976,-5.376 -58.976,-6.244 J1.4@-59,-6.268 ; J1.4@-59,-6.268 -59,-6.743 J1.4@-59,-6.268
SQI_CLK: TP15.1 U1.57 U8.6 | length 26.8
  5V w0.128: v1(-45.15,10.2) -39.65,10.2 v1(-37.9,8.45)
  Bottom Layer w0.128: U1.57@-47.25,4.435 -47.184,4.501 -47.184,6.116 -45.15,8.15 -45.15,9.2 -43.8,10.55 -36.8,10.55 -36.4,10.15 -36.4,8.95 -36.915,8.435 U8.6@-37.175,8.435 -37.19,8.45 v1(-37.9,8.45) ; v1@-45.15,10.1 -45.15,10.174 -44.7,10.624 TP15.1@-44.7,10.7
SQI_CS_L: TP12.1 U1.52 U8.1 | length 13.5
  5V w0.128: v1(-49.7,5.2) -49.7,6.75 -49.05,7.4 ; v1(-49.05,8.35) -49.05,7.4 ; v1(-44,6.1) -44.25,6.35 -46.25,6.35 -47.3,7.4 -49.05,7.4
  Bottom Layer w0.128: U1.52@-49.75,4.435 -49.725,4.46 -49.725,5.175 v1(-49.7,5.2) ; v1(-49.05,8.35) -49.05,10.225 -48.6,10.675 TP12.1@-48.6,10.7 ; v1(-44,6.1) -43.926,6.1 -43.721,5.895 U8.1@-42.925,5.895
SQI_D0: TP13.1 U1.58 U8.5 | length 24.9
  5V w0.128: v1(-47.8,10.2) -47.436,10.564 -38.732,10.564 v1(-37.873,9.705)
  Bottom Layer w0.128: v1(-47.8,10.2) TP13.1@-47.3,10.7 ; U1.58@-46.75,4.435 -46.75,6.077 -44.741,8.085 -44.741,9.009 -43.5,10.25 -38.418,10.25 v1(-37.873,9.705) U8.5@-37.175,9.705
SQI_D1: TP14.1 U1.61 U8.2 | length 9.9
  5V w0.128: v1(-46.5,10.2) -45.85,9.55 -44.4,9.55 v1(-43.9,9.05)
  Bottom Layer w0.128: v1(-46.5,10.2) TP14.1@-46,10.7 ; U1.61@-45.25,4.435 -45.195,4.49 -45.195,4.955 -44.6,5.55 -44.6,6.35 -43.785,7.165 ; v1(-43.9,9.05) -43.9,8.976 -43.785,8.861 -43.785,7.165 ; U8.2@-42.925,7.165 -43.785,7.165
SQI_D2: U1.62 U8.3 | length 6.7
  Bottom Layer w0.128: U1.62@-44.75,4.435 -44.72,4.465 -44.72,4.98 -44.25,5.45 -42.3,5.45 -42.1,5.65 -42.1,7.87 -42.509,8.279 -42.665,8.435 U8.3@-42.925,8.435
SQI_D3: U1.63 U8.7 | length 9
  Bottom Layer w0.128: U1.63@-44.25,4.435 -44.25,4.735 -43.835,5.15 -38.45,5.15 -38,5.6 -38,6.6 -37.435,7.165 U8.7@-37.175,7.165
SW: C31.1 D8.2 L1.1 U4.8 | length 14.5
  5V w0.254: v1(39.4,2.7) 39.75,2.7 40.55,1.9 40.55,-0.35 v1(39.65,-1.25)
  Bottom Layer w0.254: C31.1@39.65,-2.06 v1(39.65,-1.25)
  Bottom Layer w0.65: U4.8@38.555,2.7 v1(39.4,2.7) 40.2,2.7 40.5,3 40.5,8.8 40.525,8.825 D8.2@40,9.35
U0RX: J2.4 U5.34 | length 34.7
  5V w0.128: v1(-74.85,4.05) -70.9,4.05 -68.9,6.05 -62.45,6.05 v1(-61,7.5)
  Bottom Layer w0.128: U5.34@-82.92,-8.5 -82.534,-8.114 -82.534,-7.434 -82.15,-7.05 -79,-7.05 -74.25,-2.3 -74.25,3.45 v1(-74.85,4.05) ; J2.4@-61,6.268 v1(-61,7.5)
U0TX: J2.5 U5.35 | length 35.3
  5V w0.128: v1(-75.5,4.05) -74.6,4.95 -70.72,4.95 -69.22,6.45 -63.05,6.45 v1(-62,7.5)
  Bottom Layer w0.128: U5.35@-84.19,-8.5 -83.804,-8.114 -83.804,-7.454 -83.05,-6.7 -79.2,-6.7 -74.65,-2.15 -74.65,3.2 v1(-75.5,4.05) ; J2.5@-62,6.268 v1(-62,7.5)
U4_RX: TP11.1 U1.53 | length 2
  Bottom Layer w0.128: TP11.1@-49.3,6.45 -49.275,6.425 -49.275,4.46 U1.53@-49.25,4.435
U4_TX: TP10.1 U1.21 | length 2.5
  Bottom Layer w0.128: TP10.1@-46.4,-6.7 -46.4,-5.75 -45.75,-5.1 U1.21@-45.75,-4.435
UART_TX_N: C19.1 U6.5 | length 1.7
  Bottom Layer w0.254: C19.1@32.29,-7.8 32.34,-7.8 32.352,-7.813 U6.5@33.987,-7.813
UART_TX_P: C18.1 U6.7 | length 1.8
  Bottom Layer w0.254: C18.1@32.29,-6.8 32.45,-6.64 33.021,-6.64 33.148,-6.513 U6.7@33.987,-6.513
VCOIL: C13.1 C32.2 D2.2 D4.2 R16.2 U4.7 U6.6 | length 88.8
  5V w0.128: v1(-35.1,6.2) -35.078,6.222 -33.178,6.222 -29.75,9.65 18.95,9.65 23.428,5.172 29.228,5.172 v1(32.55,1.85)
  GND w0.254: v1(33.262,-7.163) 33.262,-5.388 37.3,-1.35 v1(37.3,2.7)
  Bottom Layer w0.128: R16.2@-36.275,4.65 -36.2,4.65 -35.964,4.886 -35.964,4.961 -35.117,5.808 -35.117,6.183 v1(-35.1,6.2)
  Bottom Layer w0.254: v1(33.262,-7.163) U6.6@33.987,-7.163
  Bottom Layer w2: D4.2@29.05,-1.05 D2.2@29.05,1.05
VCOIL_VSNS: R16.1 R17.1 U1.64 | length 7.5
  Bottom Layer w0.128: U1.64@-43.75,4.435 -43.165,4.435 -42.85,4.75 -37.525,4.75 R16.1@-37.425,4.65 R17.1@-37.425,3.65
WPT_TX: R4.1 R6.1 U1.13 | length 88.7
  GND w0.128: v1(-36.95,-10.588) 32.062,-10.588 33.162,-9.488 v1(34.787,-9.488)
  Bottom Layer w0.128: U1.13@-43.065,-2.25 -43.01,-2.305 -42.545,-2.305 -40.525,-4.325 -39.525,-4.325 -36.95,-6.9 v1(-36.95,-10.588)
  Bottom Layer w0.254: v1(34.787,-9.488) 34.806,-9.469 35.037,-9.469 35.078,-9.428 ; R6.1@34.862,-8.938 34.905,-8.938 35.078,-9.111 35.078,-9.428 ; R4.1@37.837,-8.213 37.838,-8.887 37.087,-9.638 35.288,-9.638 35.078,-9.428
pads on no net: J1.M J2.M U1.2 U1.3 U1.5 U1.17 U1.18 U1.22 U1.23 U1.24 U1.27 U1.28 U1.30 U1.32 U1.33 U1.36 U1.37 U1.38 U1.42 U1.43 U1.45 U1.46 U4.5 U5.4 U5.5 U5.6 U5.7 U5.8 U5.9 U5.10 U5.11 U5.12 U5.13 U5.14 U5.16 U5.17 U5.18 U5.23 U5.24 U5.26 U5.27 U5.28 U5.29 U5.30 U5.31 U5.32 U5.33 U5.36 U5.37 U6.1 U6.8 U7.7 Y1.1

## Polygon pours and split planes (outlines as drawn)
GND on Bottom Layer "NONET_L03_P-001" (solid, pour order 87): 97.5,11.3 -97.5,11.3 -97.5,-11.3 97.5,-11.3
COIL_C_P on Bottom Layer "PolygonDirect" (solid, pour order 86): 28.9,11.3 26.2,11.3 25.7,10.8 25.7,7.15 25.25,6.7 24,6.7 24,4.05 30.05,4.05 30.2,4.2 30.2,10
VCOIL on Bottom Layer "PolygonDirect" (solid, pour order 84): 39.375,7.738 39.375,3.638 33.275,-2.462 27.825,-2.462 27.825,2.238 28.075,2.488 30.925,2.488 36.175,7.738
5V on Bottom Layer "PolygonDIrect" (solid, pour order 82): 43.502,-0.2 47.752,-0.2 48.902,-1.35 48.902,-1.9 48.052,-2.75 44.252,-2.75 43.502,-2
5V_RSNS on Bottom Layer "PolygonDIrect" (solid, pour order 83): 45.2,0.25 45.2,6.85 44.8,7.25 43.25,7.25 42.6,6.6 42.6,3.05 41.45,1.9 39.55,1.9 39.25,1.6 39.25,0.55 39.45,0.35 43.2,0.35 43.55,0 44.95,0
COIL_N on Bottom Layer "PolygonDIrect" (solid, pour order 85): 30.575,-4 30.575,-8.2 23.625,-8.2 23.625,-4
GND on Top Layer "PolygonDirect" (solid, pour order 70): 97.5,-0.2 97.5,11.3 -97.5,11.3 -97.5,-0.2
5V on Top Layer "PolygonDirect" (solid, pour order 71): 97.5,-11.3 97.5,-0.2 -97.5,-0.2 -97.5,-11.3
GND on GND "NONET_L03_P-001" (solid, pour order 72): 97.5,11.3 97.5,-11.3 -97.5,-11.3 -97.5,11.3
5V on 5V "NONET_L03_P-001" (solid, pour order 73): 97.5,11.3 97.5,-11.3 -97.5,-11.3 -97.5,11.3

## Silkscreen, mask and mechanical layers (free items; w line width, h text height)
Bottom Overlay:
  lines w0.254: -19.979,-11.395 cw(c0,0) -19.97,11.411 ; -8.924,4.513 ccw(c0,0) -8.909,-4.542 ccw(c-6.915,-6.915) -4.542,-8.909 ; -8.909,4.542 cw(c-6.915,6.915) -4.542,8.909 cw(c0,0) 4.513,8.924 ; -4.513,-8.924 ccw(c0,0) 4.542,-8.909 ; 4.542,8.909 cw(c6.915,6.915) 8.909,4.542 cw(c0,0) 8.924,-4.513 cw(c6.898,-6.859) 4.563,-8.898 ; 19.957,-11.433 ccw(c0,0) 19.982,11.39
  text "DI" at -47.8,8.034 h0.7 r270
  text "DO" at -46.5,8.034 h0.7 r270
  text "CLK" at -45.15,8.034 h0.7 r270
  text "CS" at -49.05,7.334 h0.7 r270
  text "D_B" at -45.3,6.95 h0.7
  text "RX" at -48.639,6.92 h0.7
  text "D_A" at -51.65,6.6 h0.7 r270
  text "ESP32" at -63.499,5.3 h1 r180
  text "D_C" at -39.3,3.55 h0.7
  text "C_A" at -53.3,2.467 h0.7
  text "OUT" at -60.5,2.35 h0.7
  text "C_C" at -38.9,2.05 h0.7
  text "GND" at -62.75,-1.9 h0.7
  text "5V" at -60.9,-2.95 h0.7
  text "PIC32MZ" at -56.501,-5.3 h1
  text "C_B" at -49.2,-7.1 h0.7
  text "TX" at -45.65,-8.15 h0.7
Board Shape:
  the board outline again, w0.254

## Dimensions
90.5,11.3 to 90.5,-11.3 on Dimensions
-97.5,4.3 to 97.5,4.3 on Dimensions